# Altium PCB openmv-stm32n.PcbDoc (part 2 of 5)
Units mil, origin at the board's own origin, x right, y up, seen from the top; angles counter-clockwise.
Board outline 1400 x 1750 mil, 10 copper layers (Top Layer, L2, L3H, L5Z, L4, L6G, L7P, L8V, L9, Bottom Layer), stack 46.102 mil thick; 354 components, 264 nets, 1311 pads, 599 vias.
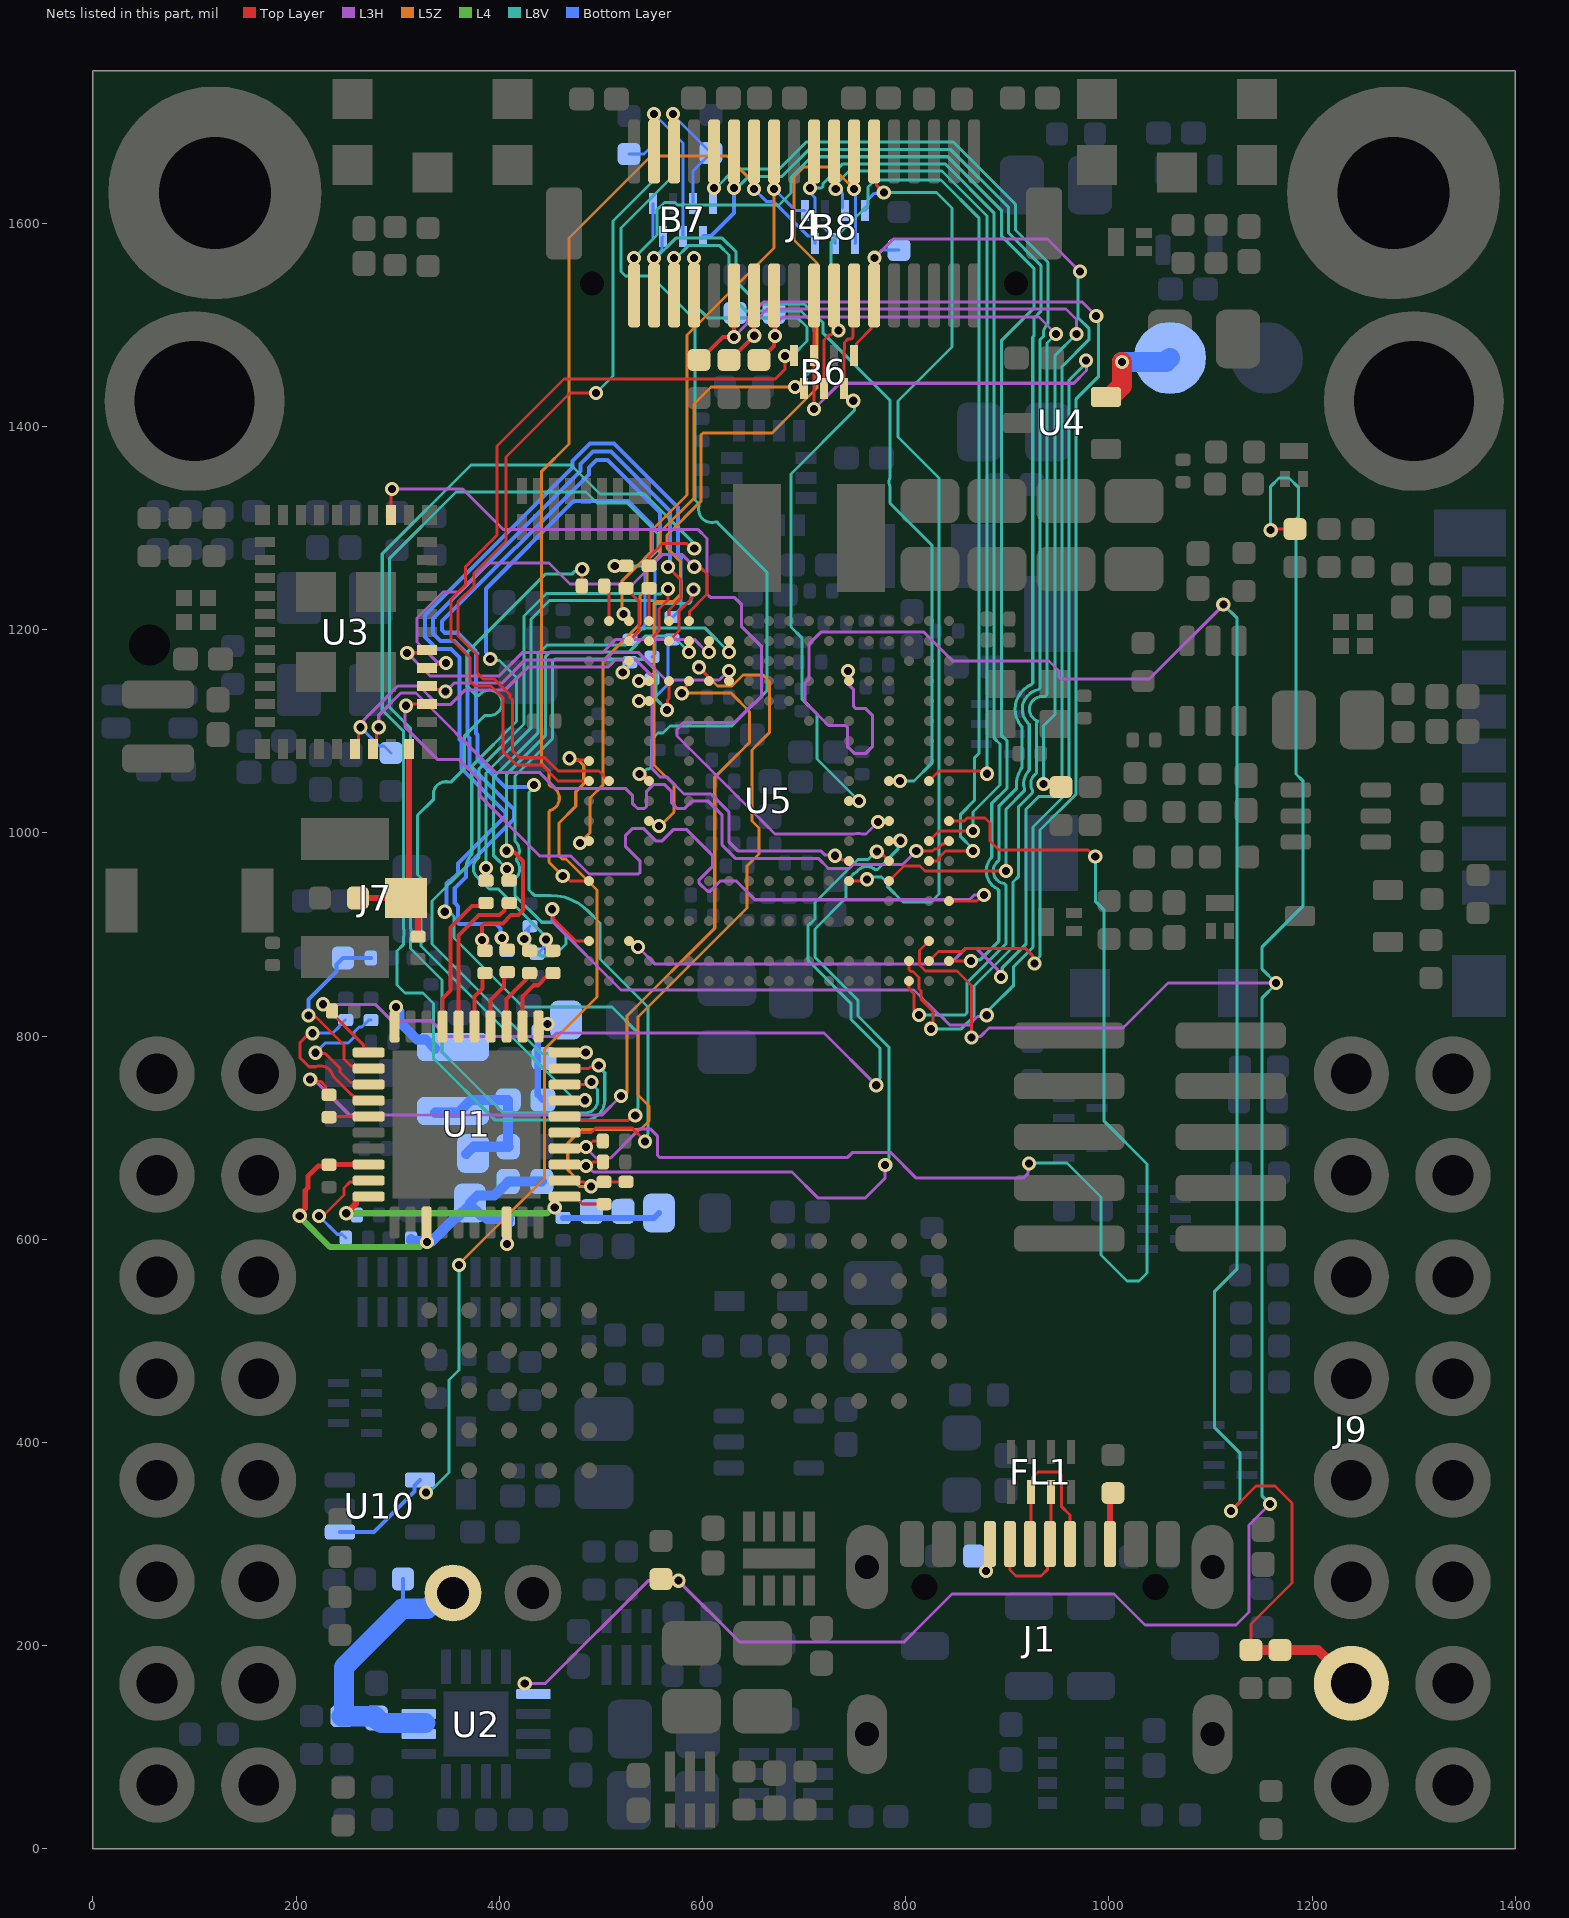
[diagram p10: the nets of this part, all layers, seen from the top]

## Part data
ANT1: "ABRACON - AMCA31-2R450G-S1F-T3 - ANTENNA, CHIP, 2.45GHZ, 50 OHM, 1206   Source:  Datasheet", MANUFACTURER_NAME=ABRACON, DeviceSetName=AMCA31-2R450G-S1F-T3, GateName_1=G$1, HEIGHT=1.4mm, LibraryName=AMCA31-2R450G-S1F-T3, MANUFACTURER_PART_NUMBER=AMCA31-2R450G-S1F-T3, MOUSER_PART_NUMBER=815-CA312R450GS1FT3, MOUSER_PRICE-STOCK=https://www.mouser.co.uk/ProductDetail/ABRACON/AMCA31-2R450G-S1F-T3?qs=AAveGqk956GLuOddQEK40Q%3D%3D, MPN=AMCA31-2R450G-S1F-T3, Part Number=AMCA31-2R450G-S1F-T3, SymbolName_1=AMCA31-2R450G-S1F-T3
B1: library part TPS62826ADMQR, "Switching Voltage Regulators 2.4-V to 5.5-V input, 3-A step-down converter with in 1.5-mm 1.5-mm QFN package", MANUFACTURER_NAME="Texas Instruments", Mouser Part Number=595-TPS62826DMQR, Datasheet Link=https://www.ti.com/lit/ds/symlink/tps62825a.pdf?ts=1608196934558&ref_url=https%253A%252F%252Fwww.ti.com%252Fstore%252Fti%252Fen%252Fp%252Fproduct%252F%253Fp%253DTPS62825ADMQR%2526keyMatch%253DTPS62825ADMQR%2526tisearch%253DSearch-EN-everything%2526usecase, Geometry.Height=1mm, MANUFACTURER_PART_NUMBER=TPS62826DMQR, Mouser Price/Stock=https://www.mouser.co.uk/ProductDetail/Texas-Instruments/TPS62826ADMQR?qs=KUoIvG%2F9Ila3pPUbedlDEw%3D%3D, MPN=TPS62826DMQR, Part Number=TPS62826DMQR
B2: library part TPS62826ADMQR, "Switching Voltage Regulators 2.4-V to 5.5-V input, 1-A step-down converter in 1.5-mm 1.5-mm QFN package", MANUFACTURER_NAME="Texas Instruments", Mouser Part Number=595-TPS62824DMQR, Datasheet Link=https://www.ti.com/lit/ds/symlink/tps62825a.pdf?ts=1608196934558&ref_url=https%253A%252F%252Fwww.ti.com%252Fstore%252Fti%252Fen%252Fp%252Fproduct%252F%253Fp%253DTPS62825ADMQR%2526keyMatch%253DTPS62825ADMQR%2526tisearch%253DSearch-EN-everything%2526usecase, Geometry.Height=1mm, MANUFACTURER_PART_NUMBER=TPS62824DMQR, Mouser Price/Stock=https://www.mouser.co.uk/ProductDetail/Texas-Instruments/TPS62826ADMQR?qs=KUoIvG%2F9Ila3pPUbedlDEw%3D%3D, MPN=TPS62824DMQR, Part Number=TPS62824DMQR
B3: "SN74LVC1G3157DCKR, Analogue Switch Single SPDT, 3, 5V, 6-Pin, SC-70", MANUFACTURER_NAME="Texas Instruments", Mouser Part Number=595-SN74LVC1G3157DCK, Datasheet Link=http://www.ti.com/lit/ds/symlink/sn74lvc1g3157.pdf, Geometry.Height=1.1mm, MANUFACTURER_PART_NUMBER=SN74LVC1G3157DCKR, Mouser Price/Stock=https://www.mouser.co.uk/ProductDetail/Texas-Instruments/SN74LVC1G3157DCKR?qs=PVVDbbWpW3J21wbz0QWbxg%3D%3D, MPN=SN74LVC1G3157DCKR, Part Number=SN74LVC1G3157DCKR
B4: "5.5V, 1.5A, 90m self-protected load switch with controlled rise time", MANUFACTURER_NAME="Texas Instruments", Mouser Part Number=595-TPS22919DCKR, Datasheet Link=http://www.ti.com/lit/ds/symlink/tps22919.pdf, Geometry.Height=1.1mm, MANUFACTURER_PART_NUMBER=TPS22919DCKR, Mouser Price/Stock=https://www.mouser.co.uk/ProductDetail/Texas-Instruments/TPS22919DCKR?qs=byeeYqUIh0P8WJZpeizUqw%3D%3D, MPN=TPS22919DCKR, Part Number=TPS22919DCKR
B5 B6 B7 B8 B9 B10 B11 B12: "NEXPERIA - PUSB3TB6AZ - DIODE, ESD PROTECTION, 5.5V, 0.27PF", MANUFACTURER_NAME=Nexperia, Mouser Part Number=771-PUSB3TB6AZ, Datasheet Link=https://assets.nexperia.com/documents/data-sheet/PUSB3TB6.pdf, Geometry.Height=0.5mm, MANUFACTURER_PART_NUMBER=PUSB3TB6AZ, Mouser Price/Stock=https://www.mouser.co.uk/ProductDetail/Nexperia/PUSB3TB6AZ?qs=K2OaAKmNuLgsAI4MRas6Xw%3D%3D, MPN=PUSB3TB6AZ, Part Number=PUSB3TB6AZ
B13 B14: "PUSB3BB4 - Extremely low capacitance bidirectional ESD protection diode array@en-us", MANUFACTURER_NAME=Nexperia, Mouser Part Number=771-PUSB3BB4Z, Datasheet Link=https://assets.nexperia.com/documents/short-data-sheet/PUSB3BB4_SDS.pdf, Geometry.Height=0.5mm, MANUFACTURER_PART_NUMBER=PUSB3BB4Z, Mouser Price/Stock=https://www.mouser.co.uk/ProductDetail/Nexperia/PUSB3BB4Z?qs=1Kr7Jg1SGW9sIg06EAYF6Q%3D%3D
B15: "Mic Omni-Directional -26dB Rectangle Solder Pad", MANUFACTURER_NAME=TDK, Mouser Part Number=410-MMICT3902-00-012, Datasheet Link=http://invensense.tdk.com/wp-content/uploads/2020/05/DS-000357-T3902-v1.0.pdf, Geometry.Height=1.13mm, MANUFACTURER_PART_NUMBER=MMICT3902-00-012, Mouser Price/Stock=https://www.mouser.co.uk/ProductDetail/TDK-InvenSense/MMICT3902-00-012?qs=yqaQSyyJnNi1lpqXyrpxOA%3D%3D, MPN=MMICT3902-00-012, Part Number=MMICT3902-00-012
B18: "DRAM IoT RAM 256Mb OPI (x8,x16) DDR 200MHz, 1.8V, Ind. Temp., BGA24", MANUFACTURER_NAME="AP Memory", Mouser Part Number=878-APS256XXN-OBR-BG, Datasheet Link=https://www.mouser.ie/datasheet/2/1127/APM_PSRAM_OPI_Xccela_APS256XXN_OBRx_v1_0_PKG-1954780.pdf, Geometry.Height=1.2mm, MANUFACTURER_PART_NUMBER=APS256XXN-OBR-BG, Mouser Price/Stock=https://www.mouser.co.uk/ProductDetail/AP-Memory/APS256XXN-OBR-BG?qs=IS%252B4QmGtzzr0jQp6msfTlA%3D%3D, MPN=APS256XXN-OBR-BG, Part Number=APS256XXN-OBR-BG
C1: library part C-EUC0201, "CAPACITOR, European symbol", MPN=0402B103K250CT, DeviceSetName=C-EU, GateName_1=G$1, LibraryName=rcl, Part Number=0402B103K250CT, POPULARITY=0, SPICEPREFIX=C, SymbolName_1=C-EU
C2 C3 C4 C5 C6 C7 C8 C9 C10 C11 C23 C25 C28 C31 C33 C35 C39 C40 C41 C42 C44 C46 C48 C51 C52 C66 C68 C73 C88 C91 C92 C93 C94 C95 C109 C113 C120 C128 C138 C140 C143 C144 C146 C148: library part CAP0402-CAP, "CapacitorStandard 0603 ceramic capacitor, and 0.1\" leaded capacitor.", MPN=JMK105BBJ475MV-F, DeviceName=0402-CAP, DeviceSetName=CAP, GateName_1=G$1, LibraryName=sfe, Part Number=JMK105BBJ475MV-F, SymbolName_1=CAP
C12 C16 C17 C18 C19 C20 C43 C45 C50 C53 C55 C56 C58 C59 C60 C62 C71 C72 C81 C82 C83 C84 C85 C86 C87 C89 C90 C97 C100 C101 C102 C103 C104 C116 C118 C119 C121 C122 C123 C124 C125 C126 C127 C129 C130 C132 C134 C136 C137 C147 C149: library part C-EUC0201, "CAPACITOR, European symbol", MPN=GRM033R60J224ME15D, DeviceName=C0201, DeviceSetName=C-EU, GateName_1=G$1, LibraryName=rcl, Part Number=GRM033R60J224ME15D, POPULARITY=0, SPICEPREFIX=C, SymbolName_1=C-EU
C13 C14 C15 C24 C27 C36 C38 C47 C74 C75 C76: library part C-EUC0201, "CAPACITOR, European symbol", MPN=C0402C104Z4VAC, DeviceSetName=C-EU, GateName_1=G$1, LibraryName=rcl, Part Number=C0402C104Z4VAC, POPULARITY=0, SPICEPREFIX=C, SymbolName_1=C-EU
C21 C29 C32 C37 C67 C69 C70 C96 C107 C108 C111 C112 C114 C115 C142: library part 22UF-0805-6.3V-20%, "22ÂµF ceramic capacitors    A capacitor is a passive two-terminal electrical component used to store electrical energy temporarily in an electric field.", MPN=CL21A226MQQNNNE, DeviceName=-0805-6.3V-20%, DeviceSetName=22UF, GateName_1=G$1, LibraryName=SparkFun-Capacitors, Part Number=CL21A226MQQNNNE, PROD_ID=CAP-08402, SymbolName_1=CAP
C22 C30: library part CAP0402-CAP, "CapacitorStandard 0603 ceramic capacitor, and 0.1\" leaded capacitor.", MPN=GRM1555C2A121GE01D, DeviceName=0402-CAP, DeviceSetName=CAP, GateName_1=G$1, LibraryName=sfe, Part Number=GRM1555C2A121GE01D, SymbolName_1=CAP
C49 C54 C57 C61 C63: library part 22UF-0805-6.3V-20%, "22ÂµF ceramic capacitors    A capacitor is a passive two-terminal electrical component used to store electrical energy temporarily in an electric field.", MPN=GRM188R60G226MEA0D, DeviceName=-0805-6.3V-20%, DeviceSetName=22UF, GateName_1=G$1, LibraryName=SparkFun-Capacitors, Part Number=GRM188R60G226MEA0D, PROD_ID=CAP-08402, SymbolName_1=CAP
C64 C65: library part C-EUC0201, "CAPACITOR, European symbol", MPN=GRM0335C1H6R8BA01D, DeviceName=C0201, DeviceSetName=C-EU, GateName_1=G$1, LibraryName=rcl, Part Number=GRM0335C1H6R8BA01D, POPULARITY=0, SPICEPREFIX=C, SymbolName_1=C-EU
C77: "Chip Capacitor value 1R5   Source:  Datasheet", MANUFACTURER_NAME="Murata Electronics", DeviceSetName=GRM0335C1H1R5BA01D, GateName_1=G$1, HEIGHT=0.33mm, LibraryName=GRM0335C1H1R5BA01D, MANUFACTURER_PART_NUMBER=GRM0335C1H1R5BA01D, MOUSER_PART_NUMBER=81-GRM0335C1H1R5BA1D, MOUSER_PRICE-STOCK=https://www.mouser.co.uk/ProductDetail/Murata-Electronics/GRM0335C1H1R5BA01D?qs=7vGxPDjevFPFqveGwv%252BPUQ%3D%3D, MPN=GRM0335C1H1R5BA01D, Part Number=GRM0335C1H1R5BA01D, SymbolName_1=GRM0335C1H1R5BA01D
C78: library part GRM0335C1H1R5BA01D, "Chip Capacitor value 1R5   Source:  Datasheet", MANUFACTURER_NAME="Murata Electronics", DeviceSetName=GRM0335C1H1R5BA01D, GateName_1=G$1, HEIGHT=0.33mm, LibraryName=GRM0335C1H1R5BA01D, MANUFACTURER_PART_NUMBER=GRM0335C1H1R5BA01D, MOUSER_PART_NUMBER=81-GRM0335C1H1R5BA1D, MOUSER_PRICE-STOCK=https://www.mouser.co.uk/ProductDetail/Murata-Electronics/GRM0335C1H1R5BA01D?qs=7vGxPDjevFPFqveGwv%252BPUQ%3D%3D, MPN=DNP, Part Number=DNP, POPULATE=0, SymbolName_1=GRM0335C1H1R5BA01D
C79 C80: library part C-EUC0201, "CAPACITOR, European symbol", MPN=GRM0335C1H3R3CA01D, DeviceName=C0201, DeviceSetName=C-EU, GateName_1=G$1, LibraryName=rcl, Part Number=GRM0335C1H3R3CA01D, POPULARITY=0, SPICEPREFIX=C, SymbolName_1=C-EU
C105 C106: library part C-EUC0201, "CAPACITOR, European symbol", MPN=GRM0335C1H8R2CA01D, DeviceName=C0201, DeviceSetName=C-EU, GateName_1=G$1, LibraryName=rcl, Part Number=GRM0335C1H8R2CA01D, POPULARITY=0, SPICEPREFIX=C, SymbolName_1=C-EU
C110: library part CAP0402-CAP, "Capacitor", MPN=VJ0402Y102JXACW1BC, DeviceName=0402-CAP, DeviceSetName=CAP, GateName_1=G$1, LibraryName=sfe, Part Number=VJ0402Y102JXACW1BC, SymbolName_1=CAP
CN1: library part JST_2PIN-THM-RA, "JST 2-Pin Connectors of various flavors SMT-RA (S2B-PH-SM4) 4UConnector #17311  SMT  (B2B-PH-SM4)  THM-RA (S2B-PH)  THM  (B2B-PH)", DeviceName=-THM-RA, DeviceSetName=JST_2PIN, GateName_1=G$1, LibraryName=adafruit-updated, MPN=S2B-PH-K-S(LF)(SN), Part Number=S2B-PH-K-S(LF)(SN), SymbolName_1=PINHD2
D1 D22: "LED RGB SMD, SIZE 1 X 1 mm Check availability", MPN=UHD1110-FKA-CL1A13r3q1BBQFMF3, PACKAGE="0404 Cree Inc.", AVAILABILITY="In Stock", DeviceSetName=UHD1110-FKA-CL1A13R3Q1BBQFMF3, GateName_1=G$1, LibraryName=UHD1110-FKA-CL1A13R3Q1BBQFMF3, MF="Cree Inc.", MP=UHD1110-FKA-CL1A13R3Q1BBQFMF3, Part Number=UHD1110-FKA-CL1A13r3q1BBQFMF3, PRICE=None, PURCHASE-URL=https://pricing.snapeda.com/search/part/UHD1110-FKA-CL1A13R3Q1BBQFMF3/?ref=eda, SymbolName_1=UHD1110-FKA-CL1A13R3Q1BBQFMF3
D2 D4 D5 D7 D8 D10 D12 D13 D14 D15 D16 D17 D18 D19 D20 D21: "ESD Suppressors / TVS Diodes DIODE ESD 5VWM 65W 0402/SOD-923F   Source:  Datasheet", MANUFACTURER_NAME="Comchip Technology", DeviceSetName=CPDQT5V0HE-HF, GateName_1=G$1, HEIGHT=0.42mm, LibraryName=CPDQT5V0HE-HF, MANUFACTURER_PART_NUMBER=CPDQT5V0HE-HF, MOUSER_PART_NUMBER=MOUSER_PART_NUMBER, MOUSER_PRICE-STOCK=MOUSER_PRICE-STOCK, MPN=CPDQT5V0HE-HF, Part Number=CPDQT5V0HE-HF, SymbolName_1=CPDQT5V0HE-HF
D3: Manufacturer=Nexperia, MPN=PMEG2005CT,215, Part Number=PMEG2005CT,215
D6: library part BAT54AW-7-F, "Diode Array 1 Pair Common Anode Schottky 30V 200mA (DC) Surface Mount SC-70, SOT-323", MPN=BAT54AW,115, PACKAGE=None, AVAILABILITY=Unavailable, Component Type=Standard, Design Item ID=BAT54A, MP=BAT54A, Part Number=BAT54AW,115, Pin Count=3, PRICE=None, Source=BAT54AW-7-F.SchLib
D9 D11: MPN=1N4448X-TP
FD1 FD2 FD3 FD4 FD5 FD6 FD7 FD8: "Fiducial Alignment Points    Point-of-reference for pick-and-place machines and other optical instruments.", DeviceName=1X2, DeviceSetName=FIDUCIAL, GateName_1=G$1, LibraryName=SparkFun-Aesthetics, SymbolName_1=FIDUCIAL
FL1: "Common Mode Filter & ESD Prot. USB uQFN8 STMicroelectronics ECMF02 Series, Signal Filter uQFN SMD, Flat Contact Termination, 2.6 x 1.3 x 0.6mm   Source:  Datasheet", MANUFACTURER_NAME=STMicroelectronics, DeviceSetName=ECMF02-4CMX8, GateName_1=G$1, HEIGHT=mm, LibraryName=ECMF02-4CMX8, MANUFACTURER_PART_NUMBER=ECMF02-4CMX8, MOUSER_PART_NUMBER=511-ECMF02-4CMX8, MOUSER_PRICE-STOCK=https://www.mouser.co.uk/ProductDetail/STMicroelectronics/ECMF02-4CMX8?qs=xYt8xtm2zhmK7GoDlDZR3A%3D%3D, MPN=ECMF02-4CMX8, Part Number=ECMF02-4CMX8, SymbolName_1=ECMF02-4CMX8
IC1: "1.6-V to 5.5-V, 40-m, 2.5-A, low-IQ, dual ideal diode   Source:  Datasheet", MANUFACTURER_NAME="Texas Instruments", DeviceSetName=LM66200DRLR, GateName_1=G$1, HEIGHT=0.6mm, LibraryName=LM66200DRLR, MANUFACTURER_PART_NUMBER=LM66200DRLR, MOUSER_PART_NUMBER=595-LM66200DRLR, MOUSER_PRICE-STOCK=https://www.mouser.co.uk/ProductDetail/Texas-Instruments/LM66200DRLR?qs=Rp5uXu7WBW90hnpZAkIOdQ%3D%3D, MPN=LM66200DRLR, Part Number=LM66200DRLR, SymbolName_1=LM66200DRLR
J1: "USB-C (USB TYPE-C) USB 2.0 Receptacle Connector 24 (16+8 Dummy) Position Surface Mount, Right Angle; Through Hole  Check availability", PACKAGE=None, AVAILABILITY="In Stock", DeviceSetName=USB4105-GF-A, GateName_1=G$1, LibraryName=USB4105-GF-A, MF=GCT, MP=USB4105-GF-A, MPN=USB4105-GF-A, Part Number=USB4105-GF-A, PRICE=None, PURCHASE-URL=https://pricing.snapeda.com/search/part/USB4105-GF-A/?ref=eda, SymbolName_1=USB4105-GF-A
J2 J3 J6 J9: library part "CONN_08\"", "Multi connection point. Often used as Generic Header-pin footprint for 0.1 inch spaced/style header connections    On any of the 0.1 inch spaced packages, you can populate with these:  Break Away Headers - Straight (PRT-00116)   Break Away Male Headers - Right Angle (PRT-00553)   Female Headers (PRT-00115)   Break Away Headers - Machine Pin (PRT-00117)   Break Away Female Headers - Swiss Machine Pin (PRT-00743)   Arduino Stackable Header - 8 Pin (PRT-09279)        For SCREWTERMINALS and SPRING TERMINALS visit here:  Screw Terimnals on SparkFun.com (5mm/3.5mm/2.54mm spacing)       This device is also useful as a general connection point to wire up your design to another part of your project. Our various solder wires solder well into these plated through hole pads.  Hook-Up Wire - Assortment (Stranded, 22 AWG) (PRT-11375)   Hook-Up Wire - Assortment (Solid Core, 22 AWG) (PRT-11367)   View the entire wire category on our website here          Special notes:     Molex polarized connector foot print use with SKU : PRT-08231 with associated crimp pins and housings. 1MM SMD Version SKU: PRT-10208    NOTES ON THE VARIANTS LOCK and LOCK_LONGPADS... This footprint was designed to help hold the alignment of a through-hole component (i.e.  6-pin header) while soldering it into place. You may notice that each hole has been shifted either up or down by 0.005 of an inch from it's more standard position (which is a perfectly straight line).  This slight alteration caused the pins (the squares in the middle) to touch the edges of the holes.  Because they are alternating, it causes a \"brace\" to hold the component in place.  0.005 has proven to be the perfect amount of \"off-center\" position when using our standard breakaway headers. Although looks a little odd when you look at the bare footprint, once you have a header in there, the alteration is very hard to notice.  Also,if you push a header all the way into place, it is covered up entirely on the bottom side.", DeviceName="\"", DeviceSetName=CONN_08, GateName_1=G$1, LibraryName=SparkFun-Connectors, MPN=DNP, Part Number=DNP, POPULATE=0, PROD_ID=CONN-08438, SymbolName_1=CONN_08
J4: library part DF12-36-DS, "Header", DeviceSetName=DF12-36-DS, GateName_1=G$1, LibraryName=DF12-36-DS, MPN=DF12NB(3.0)-36DS-0.5V(51), Part Number=DF12NB(3.0)-36DS-0.5V(51), SymbolName_1=DF12-36
J5: "uSD Slot", MPN=104031-0811, DeviceSetName=USD-1040310811, GateName_1=G$1, LibraryName=1040310811, Part Number=104031-0811, SymbolName_1=USD
J7: library part 2337019-1, "RF Connectors / Coaxial Connectors MicroCoax receptacle UMCC Gen 1   Source:  Datasheet", MANUFACTURER_NAME="TE Connectivity", DeviceSetName=2337019-1, GateName_1=G$1, HEIGHT=1.4mm, LibraryName=2337019-1, MANUFACTURER_PART_NUMBER=2337019-1, MOUSER_PART_NUMBER=571-2337019-1, MOUSER_PRICE-STOCK=https://www.mouser.co.uk/ProductDetail/TE-Connectivity/2337019-1?qs=l4Gc20tDgJIuN7nS9rJkJw%3D%3D, MPN=DNP, Part Number=DNP, POPULATE=0, SymbolName_1=2337019-1
J8: library part 3221-10-0300-00, "Check availability", PACKAGE=None, AVAILABILITY="In Stock", DeviceSetName=3221-10-0300-00, GateName_1=G$1, LibraryName=3221-10-0300-00, MF="CNC Tech", MP=FTSH-105-01-F-DV-K-P-TR, MPN=FTSH-105-01-F-DV-K-P-TR, Part Number=FTSH-105-01-F-DV-K-P-TR, PRICE=None, PURCHASE-URL=https://pricing.snapeda.com/search/part/3221-10-0300-00/?ref=eda, SymbolName_1=3221-10-0300-00
L1: library part INDUCTOR, "InductorsBasic Inductor/Choke - 0603 and 1206. Footprints are not proven and vary greatly between part numbers.", GateName_1=G$1, MPN=MFBM1V1608-101-R, Part Number=MFBM1V1608-101-R
L2 L3: library part CMP-00002-1, "Power Inductor : LxW size(mm) 2012 Thickness1 Inductance (uH) 20%: 0.47", Case Code (Imperial)=0805, Case Code (Metric)=2012, Current Rating=3.6A, DC Resistance (DCR)=31mR, Max Operating Temperature=125°C, Min Operating Temperature=-40°C, Saturation Current=5.4A, Test Frequency=1MHz, Tolerance=20%, Case/Package=0805, Core Material=Metal,Composite, Mounting Technology="Surface Mount", MPN=CIGT201210UHR47MNE, Packaging="Cut Tape", Part Number=CIGT201210UHR47MNE, RoHS Compliant=Yes, Series=CIGT, Shielding=Unshielded
L5: library part SRP3212-2R2M, "Ind,3.2x2.5x1mm,1.0uH?20%,6.5A,shd", MANUFACTURER_NAME=Bourns, Mouser Part Number=652-SRP3212-1R0M, Datasheet Link=https://www.bourns.com/pdfs/CVH.pdf, Geometry.Height=1mm, MANUFACTURER_PART_NUMBER=SRP3212-1R0M, Mouser Price/Stock=https://www.mouser.com/ProductDetail/Bourns/SRP3212-1R0M?qs=t7xnP681wgVwh6hWpVPUMg%3D%3D, MPN=SRP3212-1R0M, Part Number=SRP3212-1R0M
L6 L8 L10 L11 L13 L14: library part INDUCTOR0402, "InductorsBasic Inductor/Choke - 0603 and 1206. Footprints are not proven and vary greatly between part numbers.", MPN=MFBM1V1005-101-R, DeviceName=0402, DeviceSetName=INDUCTOR, GateName_1=G$1, LibraryName=sfe, Part Number=MFBM1V1005-101-R, SymbolName_1=INDUCTOR
L7: library part INDUCTOR-0402-3.9NH, "Inductors    Resist changes in electrical current. Basically a coil of wire.   SparkFun Products:  SparkFun Load Cell Amplifier - HX711  IOIO-OTG - V2.2", MPN=L-07C3N9SV6T, DeviceName=-0402-3.9NH, DeviceSetName=INDUCTOR, GateName_1=G$1, LibraryName=SparkFun-Coils, Part Number=L-07C3N9SV6T, PROD_ID=NDUC-13457, SymbolName_1=INDUCTOR
L9: "INDUCTOR, METAL CORE Check availability", PACKAGE="2016 Taiyo Yuden", AVAILABILITY="In Stock", DeviceSetName=MAKK2016T2R2M, GateName_1=G$1, LibraryName=MAKK2016T2R2M, MF="Taiyo Yuden", MP=MAKK2016T2R2M, MPN=MAKK2016T2R2M, Part Number=MAKK2016T2R2M, PRICE=None, PURCHASE-URL=https://pricing.snapeda.com/search/part/MAKK2016T2R2M/?ref=eda, SymbolName_1=MAKK2016T2R2M
L12: library part MAKK2016T2R2M, "INDUCTOR, METAL CORE Check availability", PACKAGE="2016 Taiyo Yuden", AVAILABILITY="In Stock", DeviceSetName=MAKK2016T4R7M, GateName_1=G$1, LibraryName=MAKK2016T4R7M, MF="Taiyo Yuden", MP=MAKK2016T4R7M, MPN=MAKK2016T4R7M, Part Number=MAKK2016T4R7M, PRICE=None, PURCHASE-URL=https://pricing.snapeda.com/search/part/MAKK2016T4R7M/?ref=eda, SymbolName_1=MAKK2016T4R7M
M1 M2: "M2 3mm Standoff", DeviceSetName=9774030243R, GateName_1=G$1, LibraryName=9774030243R, MPN=9774030243R, Part Number=9774030243R, SymbolName_1=9774030243R
P1 P2: library part OMV
P3: library part ROHS
P4: library part WEEE
Q2 Q4 Q5: library part 2N7002KW_R1_00001, "MOSFET 60V N-Channel Enhancement Mode MOSFET - ESD Protected   Source:  Datasheet"
Q3: library part 2N7002KW_R1_00001, GateName_1=G$1
R1 R6 R7 R98: library part RESISTOR0402-RES, "ResistorBasic schematic elements and footprints for 0603, 1206, and PTH resistors.", MPN=RC0402JR-075K1L, DeviceName=0402-RES, DeviceSetName=RESISTOR, GateName_1=G$1, LibraryName=sfe, Part Number=RC0402JR-075K1L, SymbolName_1=RESISTOR
R2 R3 R8 R14 R15 R18 R23 R24 R25 R32 R33 R34 R35 R36 R37 R42 R43 R53 R62 R63 R64 R65 R66 R89 R91 R92 R93 R94 R95 R100 R104 R105: library part RESISTOR0402-RES, "ResistorBasic schematic elements and footprints for 0603, 1206, and PTH resistors.", MPN=AC0402FR-07100KL, DeviceName=0402-RES, DeviceSetName=RESISTOR, GateName_1=G$1, LibraryName=sfe, Part Number=AC0402FR-07100KL, SymbolName_1=RESISTOR
R4 R9 R16 R97 R102 R103: library part RESISTOR0402-RES, "ResistorBasic schematic elements and footprints for 0603, 1206, and PTH resistors.", MPN=AC0402FR-1310KL, DeviceName=0402-RES, DeviceSetName=RESISTOR, GateName_1=G$1, LibraryName=sfe, Part Number=AC0402FR-1310KL, SymbolName_1=RESISTOR
R5 R28 R54 R96: library part RESISTOR0402-RES, "ResistorBasic schematic elements and footprints for 0603, 1206, and PTH resistors.", MPN=CRCW04021K00FKEDC, DeviceName=0402-RES, DeviceSetName=RESISTOR, GateName_1=G$1, LibraryName=sfe, Part Number=CRCW04021K00FKEDC, SymbolName_1=RESISTOR
R10: library part RESISTOR0402-RES, "ResistorBasic schematic elements and footprints for 0603, 1206, and PTH resistors.", MPN=RC0402JR-071K1, DeviceName=0402-RES, DeviceSetName=RESISTOR, GateName_1=G$1, LibraryName=sfe, Part Number=RC0402JR-071K1, SymbolName_1=RESISTOR
R11: library part RESISTOR0402-RES, "ResistorBasic schematic elements and footprints for 0603, 1206, and PTH resistors.", MPN=WR04X4642FTL, DeviceName=0402-RES, DeviceSetName=RESISTOR, GateName_1=G$1, LibraryName=sfe, Part Number=WR04X4642FTL, SymbolName_1=RESISTOR
R12: library part RESISTOR0402-RES, "ResistorBasic schematic elements and footprints for 0603, 1206, and PTH resistors.", MPN=CR0402-FX-8201GLF, DeviceName=0402-RES, DeviceSetName=RESISTOR, GateName_1=G$1, LibraryName=sfe, Part Number=CR0402-FX-8201GLF, SymbolName_1=RESISTOR
R13: library part RESISTOR0402-RES, "ResistorBasic schematic elements and footprints for 0603, 1206, and PTH resistors.", MPN=CR0402-FX-4533GLF, DeviceName=0402-RES, DeviceSetName=RESISTOR, GateName_1=G$1, LibraryName=sfe, Part Number=CR0402-FX-4533GLF, SymbolName_1=RESISTOR
R17: library part RESISTOR0402-RES, "ResistorBasic schematic elements and footprints for 0603, 1206, and PTH resistors.", MPN=CR0402-FX-2003GLF, DeviceName=0402-RES, DeviceSetName=RESISTOR, GateName_1=G$1, LibraryName=sfe, Part Number=CR0402-FX-2003GLF, SymbolName_1=RESISTOR
R19 R20 R38 R39 R40 R44 R88 R90: library part RESISTOR0402-RES, "ResistorBasic schematic elements and footprints for 0603, 1206, and PTH resistors.", DeviceName=0402-RES, DeviceSetName=RESISTOR, GateName_1=G$1, LibraryName=sfe, MPN=DNP, Part Number=DNP, SymbolName_1=RESISTOR
R21 R22: library part RESISTOR0402-RES, "ResistorBasic schematic elements and footprints for 0603, 1206, and PTH resistors.", MPN=AC0402JR-072K7L, DeviceName=0402-RES, DeviceSetName=RESISTOR, GateName_1=G$1, LibraryName=sfe, Part Number=AC0402JR-072K7L, SymbolName_1=RESISTOR
R26 R27 R29 R60 R61 R67 R68 R99 R101: library part RESISTOR0402-RES, "ResistorBasic schematic elements and footprints for 0603, 1206, and PTH resistors.", MPN=AC0402FR-1310K, DeviceName=0402-RES, DeviceSetName=RESISTOR, GateName_1=G$1, LibraryName=sfe, Part Number=AC0402FR-1310K, SymbolName_1=RESISTOR
R30 R31: library part RESISTOR0402-RES, "ResistorBasic schematic elements and footprints for 0603, 1206, and PTH resistors.", MPN=AC0402FR-074K7L, DeviceName=0402-RES, DeviceSetName=RESISTOR, GateName_1=G$1, LibraryName=sfe, Part Number=AC0402FR-074K7L, SymbolName_1=RESISTOR
R41: library part RESISTOR0402-RES, "Resistor", MPN=CRCW04021M00FKEDC, DeviceName=0402-RES, DeviceSetName=RESISTOR, GateName_1=G$1, LibraryName=sfe, Part Number=CRCW04021M00FKEDC, SymbolName_1=RESISTOR
R45 R46 R47 R48: library part RESISTOR0402-RES, "ResistorBasic schematic elements and footprints for 0603, 1206, and PTH resistors.", MPN=RC0402JR-070R, DeviceName=0402-RES, DeviceSetName=RESISTOR, GateName_1=G$1, LibraryName=sfe, Part Number=RC0402JR-070R, SymbolName_1=RESISTOR
R49: library part RESISTOR0402-RES, MPN=CR0201-JW-103GLF, DeviceSetName=RESISTOR, GateName_1=G$1, LibraryName=sfe, Part Number=CR0201-JW-103GLF, SymbolName_1=RESISTOR
R50 R51 R52: library part RESISTOR0402-RES, MPN=AC0201JR-071K5L, DeviceSetName=RESISTOR, GateName_1=G$1, LibraryName=sfe, Part Number=AC0201JR-071K5L, SymbolName_1=RESISTOR
R55: library part RESISTOR0402-RES, "ResistorBasic schematic elements and footprints for 0603, 1206, and PTH resistors.", MPN=RC0402FR-07510RL, DeviceName=0402-RES, DeviceSetName=RESISTOR, GateName_1=G$1, LibraryName=sfe, Part Number=RC0402FR-07510RL, SymbolName_1=RESISTOR
R56 R57 R58 R59 R83 R84 R85 R86 R87: library part RESISTOR0402-RES, MPN=CR0201-FW-4701GLF, DeviceSetName=RESISTOR, GateName_1=G$1, LibraryName=sfe, Part Number=CR0201-FW-4701GLF, SymbolName_1=RESISTOR
R69 R70 R71 R72 R73 R74 R75 R76 R77 R78 R79 R80 R81: library part RESISTOR0402-RES, MPN=CR0201-JW-220GLF, DeviceSetName=RESISTOR, GateName_1=G$1, LibraryName=sfe, Part Number=CR0201-JW-220GLF, SymbolName_1=RESISTOR
R82: library part RESISTOR0402-RES, MPN=RC0201FR-072K49L, DeviceSetName=RESISTOR, GateName_1=G$1, LibraryName=sfe, Part Number=RC0201FR-072K49L, SymbolName_1=RESISTOR
R106 R107 R112: library part RESISTOR0402-RES, MPN=CR0201-FW-2000GLF, DeviceSetName=RESISTOR, GateName_1=G$1, LibraryName=sfe, Part Number=CR0201-FW-2000GLF, SymbolName_1=RESISTOR
R108: library part RESISTOR0402-RES, "ResistorBasic schematic elements and footprints for 0603, 1206, and PTH resistors.", MPN=RC0402FR-7D470KL, DeviceName=0402-RES, DeviceSetName=RESISTOR, GateName_1=G$1, LibraryName=sfe, Part Number=RC0402FR-7D470KL, SymbolName_1=RESISTOR
R109: library part RESISTOR0402-RES, "ResistorBasic schematic elements and footprints for 0603, 1206, and PTH resistors.", MPN=CRCW04021M00FKEDC, DeviceName=0402-RES, DeviceSetName=RESISTOR, GateName_1=G$1, LibraryName=sfe, Part Number=CRCW04021M00FKEDC, SymbolName_1=RESISTOR
R110 R111: library part RESISTOR0402-RES, "ResistorBasic schematic elements and footprints for 0603, 1206, and PTH resistors.", MPN=RMCF0402FT560K, DeviceName=0402-RES, DeviceSetName=RESISTOR, GateName_1=G$1, LibraryName=sfe, Part Number=RMCF0402FT560K, SymbolName_1=RESISTOR
U1: library part RTL8211F-CG, "GbE PHY with RGMIII interface & EEE feature (Switch Regulator), QFN40", PACKAGE=None, AVAILABILITY="In Stock", Check_prices=https://www.snapeda.com/parts/RTL8211F-CG/Realtek/view-part/?ref=eda, Component Type=Standard, Design Item ID=RTL8211F-CG, MF="Realtek Semiconductor Corp", MP=RTL8211F-CG, MPN=RTL8211FI-CG, Part Number=RTL8211FI-CG, Pin Count=41, PRICE=None, SnapEDA_Link=https://www.snapeda.com/parts/RTL8211F-CG/Realtek/view-part/?ref=snap, Source=RTL8211F-CG.SchLib
U2: "Standalone 1-cell 1.5-A linear charger, Power Path, 4.2-V VBAT and 5.5-V VOUT 16-VQFN -40 to 85  Check availability", PACKAGE="VQFN-16 Texas Instruments", AVAILABILITY="In Stock", DeviceSetName=BQ24075RGTR, GateName_1=G$1, LibraryName=BQ24075RGTR, MF="Texas Instruments", MP=BQ24075RGTR, MPN=BQ24075RGTR, Part Number=BQ24075RGTR, PRICE=None, PURCHASE-URL=https://pricing.snapeda.com/search/part/BQ24075RGTR/?ref=eda, SymbolName_1=BQ24075RGTR
U3: library part LBEE5KL1DX-TEMP, "Broadcom Chipset for 802.11b/g/n + Bluetooth 4.1/EDR", PACKAGE=None, AVAILABILITY=Unavailable, DeviceSetName=LBEE5KL1DX-TEMP, GateName_1=G$1, LibraryName=LBEE5KL1DX-TEMP, MF="Murata Electronics", MP=LBEE5KL1DX-TEMP, MPN=LBEE5KL1DX-883, Part Number=LBEE5KL1DX-883, PRICE=None, SymbolName_1=LBEE5KL1DX-TEMP
U4: "Diode Array 1 Pair Common Cathode Schottky 30 V 200mA (DC) Surface Mount SC-70, SOT-323", MPN=BAT54CW,115, PACKAGE="SC-70 NXP Semiconductors", AVAILABILITY="In Stock", Check_prices=https://www.snapeda.com/parts/BAT54CW/Onsemi/view-part/?ref=eda, Component Type=Standard, Design Item ID=BAT54CW, MF="ON Semiconductor", MP=BAT54CW, Part Number=BAT54CW,115, Pin Count=3, PRICE=None, PURCHASE-URL=https://pricing.snapeda.com/search/part/BAT54CW/?ref=eda, SnapEDA_Link=https://www.snapeda.com/parts/BAT54CW/Onsemi/view-part/?ref=snap, Source=BAT54CW.SchLib
U5: MPN=STM32N657
U6: library part CMP-008-000000-1, "6 Line Common Mode Choke Surface Mount 100mA DCR 6Ohm (Typ)", PACKAGE="XDFN-16 ON Semiconductor", Component Type=Standard, Design Item ID=EMI8143MUTAG, Digi-Key_Part_Number=EMI8143MUTAGOSCT-ND, MF="ON Semiconductor", MP=EMI8143MUTAG, MPN=EMI8143MUTAG, Part Number=EMI8143MUTAG, Pin Count=14, PURCHASE-URL=https://pricing.snapeda.com/search/part/EMI8143MUTAG/?ref=eda, SnapEDA_Link=https://www.snapeda.com/parts/EMI8143MUTAG/ON%20Semiconductor/view-part/182093/?ref=snap, Source=EMI8143MUTAG.SchLib
U7: library part IS25WX256-JHLE, "IC, Flash,32MB x 8, Octal SPI, Ind Temp, 1.8V,24-BGA", MPN=MX25UM25645GXDI00-T, Part Number=MX25UM25645GXDI00-T
U8: "Accelerometer, Gyroscope, Temperature, 6 Axis Sensor IÂ²C, SPI Output", PACKAGE="VFLGA-14 STMicroelectronics", AVAILABILITY=Unavailable, Component Type=Standard, Design Item ID=LSM6DSMTR, MF=STMicroelectronics, MP=LSM6DSMTR, MPN=LSM6DSMTR, Part Number=LSM6DSMTR, Pin Count=14, PRICE=None, SnapEDA_Link=https://www.snapeda.com/parts/LSM6DSMTR/STMicroelectronics/view-part/581716/?ref=snap, Source=SnapEDAsch.SchLib
U11: library part MIC5365-3.3YC5-TR, MF=Microchip, MPN=MIC5365-3.3YC5-TR
X2 X3: "Power Switch ICs - Power Distribution Load Switch", MANUFACTURER_NAME="Diodes Incorporated", Mouser Part Number=621-AP22800HB-7, Datasheet Link=https://www.diodes.com/assets/Datasheets/AP22800.pdf, Geometry.Height=0.605mm, MANUFACTURER_PART_NUMBER=AP22800HB-7, Mouser Price/Stock=https://www.mouser.co.uk/ProductDetail/Diodes-Incorporated/AP22800HB-7?qs=9BjnSzo86S%2FcRh3gewZ%2Ftg%3D%3D, MPN=AP22800HB-7, Part Number=AP22800HB-7
Y1: library part ABS07-32.768KHZ-7-T, "Check availability", PACKAGE="SMD-2 Abracon LLC", AVAILABILITY="In Stock", DeviceSetName=ABS07-32.768KHZ-7-T, GateName_1=G$1, LibraryName=ABS07-32.768KHZ-7-T, MF=Abracon, MP=ABS07-32.768KHZ-7-T, MPN=SC32S-7PF20PPM, Part Number=SC32S-7PF20PPM, PRICE=None, PURCHASE-URL=https://pricing.snapeda.com/search/part/ABS07-32.768KHZ-7-T/?ref=eda, SymbolName_1=ABS07-32.768KHZ-7-T
Y2: library part XRCGB24M000F3M00R0, "Murata 48MHz Crystal +/-30ppm SMD 4-Pin 2 x 1.6 x 0.7mm   Source:  Datasheet", MANUFACTURER_NAME="Murata Electronics", DeviceSetName=XRCGB48M000F0L00R0, GateName_1=G$1, HEIGHT=mm, LibraryName=XRCGB48M000F0L00R0, MANUFACTURER_PART_NUMBER=XRCGB48M000F0L00R0, MOUSER_PART_NUMBER=81-XRCGB48M000F0L00R0, MOUSER_PRICE-STOCK=https://www.mouser.com/ProductDetail/Murata-Electronics/XRCGB48M000F0L00R0?qs=e%252BE4OD6MgMeeUSmgUp7uPA%3D%3D, MPN=XRCGB48M000F0L00R0, Part Number=XRCGB48M000F0L00R0, SymbolName_1=XRCGB48M000F0L00R0
Y3: library part XRCGB24M000F3M00R0, "Murata 48MHz Crystal +/-30ppm SMD 4-Pin 2 x 1.6 x 0.7mm   Source:  Datasheet", MANUFACTURER_NAME="Murata Electronics", MANUFACTURER_PART_NUMBER=XRCGB48M000F0L00R0, DeviceSetName=ECS-250-6-37B2-AGY-TR, GateName_1=G$1, HEIGHT=mm, LibraryName=ECS-250-6-37B2-AGY-TR, MOUSER_PART_NUMBER=81-XRCGB48M000F0L00R0, MOUSER_PRICE-STOCK=https://www.mouser.com/ProductDetail/Murata-Electronics/XRCGB48M000F0L00R0?qs=e%252BE4OD6MgMeeUSmgUp7uPA%3D%3D, MPN=XRCGB48M000F0L00R0, Part Number=XRCGB48M000F0L00R0, SymbolName_1=ECS-250-6-37B2-AGY-TR
Q1: GateName_1=G$1, HEIGHT=1.1mm, MPN=DMG2301L-7, Part Number=DMG2301L-7
S1 S2: MPN=KMS231GLFS, Part Number=KMS231GLFS
U9 U10: MF=Microchip, MPN=MCP6006T-E/LT
X1: MPN=ECS-327MVATX-3-CN-TR3, Part Number=ECS-327MVATX-3-CN-TR3

## Free pads (board coordinates)
  round 209.84 hole 110.24 mask+1.97: 0(120,1630) 0(1280,1630)

## Via types
v1: diameter 14, hole 8, Top Layer to Bottom Layer, tented both sides, 586 vias
v2: diameter 35, hole 15, Top Layer to Bottom Layer, tented both sides, 6 vias
v3: diameter 25, hole 15, Top Layer to Bottom Layer, tented both sides, 5 vias
v4: diameter 20, hole 10, Top Layer to Bottom Layer, tented both sides, 1 vias
v5: diameter 20, hole 8, Top Layer to Bottom Layer, tented both sides, 1 vias

## Nets (pads, with @x,y where several pads share a name; then routed paths per layer and width w, separated by ;. In a path a pad name is that pad's centre, name@x,y a point inside that pad or via, vN(x,y) a via of type N, cw(c..) or ccw(c..) an arc to the next point about the centre after c; other vN are vias at no path point)
ANT: C77.1 J7.1 L7.2 U3.41 | length 238
  Top Layer w6: L7.2@260.7,936 J7.1@308.04,936 ; J7.1@310.01,937.97 J7.1@308.04,936 ; J7.1@311.01,937.97 U3.41@311.01,1082.84 ; C77.1@319.96,897.97 319.96,924.08 J7.1@308.04,936
BAT: C8.2 CN1.1 D2.1 R109.2 U2.2 U2.3 | length 301.8
  Bottom Layer w4: 304.32,236.32 305.12,237.12 R109.2@305.12,265.75
  Bottom Layer w20: D2.1@245,130.7 D2.1@245.59,130.7 ; 327,124 283.87,124 281.4,126.47 280.42,126.47 279,127.89 C8.2@279,128.87 279,129.28 277.58,130.7 D2.1@245.59,130.7 ; CN1.1@354.33,251.97 344.59,251.97 328.94,236.32 304.32,236.32 247,179 247,132.7 246.41,132.11 246.41,131.52 D2.1@245.59,130.7
BAT_1V8_OUT: U5.W8 U10.1 U10.4 | length 955.4
  Top Layer w3: v1(469.09,1073.52) 470.77,1071.85 487.2,1071.85 U5.W8@488.19,1070.87
  L5Z w3: v1(360.24,574.8) 360.24,575.79 444.29,659.84 444.29,786.81 496.06,838.58 496.06,943.9 465.55,974.41 461.61,974.41 458.66,977.36 458.66,1009.84 475.14,1026.32 475.14,1040.6 483.05,1048.51 483.05,1066.42 477.65,1071.81 470.8,1071.81 v1(469.09,1073.52)
  L8V w3: v1(327.79,350.81) 330.63,350.81 350.39,370.58 350.39,461.61 360.24,471.46 v1(360.24,574.8)
  Bottom Layer w4: U10.1@243.11,312.01 276.57,312.01 316.6,352.03 316.6,357.94 U10.4@321.85,363.19
BAT_INPUT: TP1.1 U4.2 | length 92.7
  Top Layer w20: U4.2@997.05,1429.13 1001.97,1429.13 1012.8,1439.96 v1(1012.8,1463.58)
  Bottom Layer w20: v1(1012.8,1463.58) 1056.1,1463.58 TP1.1@1060.04,1467.52
BOOT0: D13.1 J9.2 R105.1 U5.F4 | length 1988.2
  Top Layer w3: v1(1120.08,332.68) 1144.68,357.28 1163.39,357.28 1180.12,340.55 1180.12,261.81 1139.76,221.46 R105.1@1139.76,195.87
  Top Layer w10: R105.1@1139.76,195.87 1205.71,195.87 J9.2@1238.58,163
  L3H w3: v1(743.11,1159.45) 743.11,1146.52 748.63,1141 748.63,1124.49 750.39,1122.74 760.1,1122.74 767.42,1115.41 767.42,1085.37 760.1,1078.05 749.74,1078.05 742.42,1085.37 742.42,1104.09 740.66,1105.84 723.88,1105.84 700.79,1128.94 700.79,1147.64 704.91,1151.76 704.91,1186.23 716.33,1197.65 817.86,1197.65 846.22,1169.29 940.95,1169.29 950.79,1159.45 950.79,1153.44 952.54,1151.68 1039.96,1151.68 1112.55,1224.27 v1(1112.55,1224.84)
  L8V w3: v1(1112.55,1224.84) 1126.09,1211.29 1126.09,570.98 1103.64,548.52 1103.64,415.17 1128.83,389.99 1128.83,341.43 v1(1120.08,332.68)
BT_D_WAKE: U3.39 U5.A12 | length 751.3
  Top Layer w3: U3.39@275.57,1082.84 278.99,1086.26 278.99,1098.82 281.28,1101.11 v1(281.28,1104.09) ; v1(810.32,982.28) 826.32,982.28 828.3,984.26 831.12,984.26 836.14,989.28 837.83,989.28 840.67,992.13 U5.A12@842.52,992.13
  L3H w3: v1(281.28,1104.09) 281.28,1116.03 302.96,1137.71 318,1137.71 395.96,1059.74 439.23,1059.74 454.98,1044 523.88,1044 531.2,1036.67 531.2,1028.74 535.86,1024.08 542.77,1024.08 544.59,1025.9 544.59,1040.61 551.91,1047.93 562.26,1047.93 569.59,1040.61 569.59,1029.63 575.23,1023.99 582.04,1023.99 589.36,1031.31 605.52,1031.31 618.89,1017.94 618.89,988.47 632.26,975.1 713.82,975.1 723.88,965.04 744.4,965.04 748.51,969.14 797.18,969.14 v1(810.32,982.28)
BT_H_WAKE: R60.2 U3.38 U5.F13 | length 742.2
  Top Layer w3: U3.38@257.86,1082.84 261.28,1086.26 261.28,1102.09 v1(263.28,1104.09) ; v1(730.32,977.54) 733.28,977.54 737.57,973.24 743.29,973.24 U5.F13@744.09,972.44
  L3H w3: v1(263.28,1104.09) 263.28,1107.06 266.49,1110.27 266.49,1111.14 300.06,1144.71 320.9,1144.71 338.97,1126.64 352.15,1126.64 366.04,1140.53 405.41,1140.53 428.31,1163.43 507.2,1163.43 514.2,1170.43 534.25,1170.43 550.41,1154.28 550.41,1063.15 558.62,1054.93 565.16,1054.93 581.79,1038.31 608.42,1038.31 625.89,1020.84 625.89,991.37 635.16,982.1 716.72,982.1 720.67,978.15 729.7,978.15 v1(730.32,977.54)
  Bottom Layer w3: v1(263.28,1104.09) 281.78,1085.58 286.46,1085.58 R60.2@293.31,1078.74
BT_REG_ON: U3.14 U5.D11 | length 893.7
  Top Layer w3: U3.14@293.29,1313.16 293.29,1337.72 v1(294.18,1338.61)
  L3H w3: v1(294.18,1338.61) 363.9,1338.61 403.59,1298.92 595.21,1298.92 604.3,1289.82 604.3,1235.32 607.63,1231.99 631.16,1231.99 638.48,1224.67 638.48,1203.01 658.17,1183.33 658.17,1134.59 650.85,1127.26 649.86,1127.26 631.16,1108.56 581.44,1108.56 574.79,1101.91 574.79,1095.53 671.3,999.02 748.86,999.02 cw(c752.95,987.2) 757.05,999.02 760.83,999.02 v1(772.64,1010.83)
BT_UART_CTS_N: U3.5 U5.N2 | length 347.4
  Top Layer w3: v1(309.21,1177.23) 309.38,1177.4 325.84,1177.4 U3.5@328.72,1180.28
  L3H w3: v1(309.21,1177.23) 331.92,1154.53 399.61,1154.53 422.51,1177.43 501.4,1177.43 514.62,1190.65 591.79,1190.65 604.29,1178.15 v1(606.3,1178.15)
BT_UART_RTS_N: U3.4 U5.P1 | length 471.8
  Top Layer w3: U3.4@328.72,1162.57 332.14,1165.99 346.23,1165.99 v1(347.56,1167.32) ; U5.P1@586.61,1208.66 587.22,1209.26 587.22,1218.08 604.33,1235.2 604.33,1254.92 599.32,1259.93 593.91,1259.93 v1(591.8,1262.04)
  L3H w3: v1(347.56,1167.32) 346.42,1168.46 338.43,1168.46 318.9,1187.99 318.9,1211.61 344.49,1237.2 361.22,1237.2 389.76,1265.75 448.82,1265.75 469.49,1245.08 531.54,1245.08 560.77,1274.31 579.53,1274.31 v1(591.8,1262.04)
BT_UART_RX: U3.3 U5.M4 | length 330.3
  Top Layer w3: U3.3@328.72,1144.85 332.14,1141.43 341.71,1141.43 344,1139.14 v1(346.98,1139.14)
  L3H w3: v1(346.98,1139.14) 355.36,1147.53 402.51,1147.53 425.41,1170.43 504.3,1170.43 511.3,1177.43 537.15,1177.43 564.06,1150.52 616.33,1150.52 625.26,1159.45 v1(625.98,1159.45)
BT_UART_TX: U3.2 U5.A15 | length 862.8
  Top Layer w3: v1(308.14,1125.21) 310.05,1127.13 U3.2@328.72,1127.13 ; U5.A15@842.52,933.07 869.84,933.07 875.69,938.92 v1(877.1,938.92)
  L3H w3: v1(308.14,1125.21) 307.23,1124.3 307.23,1104.19 339.24,1072.18 360.6,1072.18 381.13,1051.66 381.13,1036.18 440.07,977.24 470.49,977.24 488.15,959.57 536.81,959.57 538.57,961.33 538.57,972.29 523.92,986.95 523.92,997.3 531.24,1004.63 541.59,1004.63 554.28,991.94 559.89,991.94 571.59,1003.64 583.92,1003.64 609.94,977.62 609.94,967.26 596.29,953.61 596.29,951.13 604.76,942.65 607.25,942.65 617.12,952.53 633.28,952.53 651.53,934.28 862.74,934.28 867.35,938.89 v1(877.1,938.92)
CC1: J1.A5 R6.1
  other v1: 878.94,273.62
CC2: J1.B5 R7.1 | length 51.4
  Top Layer w6: J1.B5@1000.9,300.2 1000.9,347.2 R7.1@1004,350.3
CHG: R1.1 R42.1 U2.9 U5.B17 | length 2530.2
  Top Layer w3: U5.B17@822.83,893.7 813.41,884.28 813.41,870.11 819.35,864.17 850.39,864.17 864.65,849.92 v1(864.65,798.67) ; v1(1159.13,1298.05) 1160.29,1299.21 R1.1@1183.07,1299.21
  L3H w3: v1(425,163) 445.4,163 546.51,264.12 v1(576.16,264.12) 636.54,203.74 798.23,203.74 845.47,250.98 1004.92,250.98 1035.43,220.47 1125,220.47 1137.8,233.27 1137.8,318.9 v1(1158.46,339.57) ; v1(864.65,798.67) 865.89,799.91 873.67,799.91 881.83,808.07 1013.78,808.07 1058.07,852.36 v1(1164.37,852.36)
  L8V w3: v1(1158.46,339.57) 1150.7,347.33 1150.7,837.71 1164.37,851.38 v1(1164.37,852.36) 1150.7,866.03 1150.7,887.91 1190.76,927.96 1190.76,1051.42 1184.06,1058.13 1184.06,1309.06 1186.71,1311.71 1186.71,1339.82 1177.13,1349.41 1167.32,1349.41 1159.13,1341.21 v1(1159.13,1298.05)